# Altium PCB RFID_PCB.PcbDoc
Units mil, origin at the board's own origin, x right, y up, seen from the top; angles counter-clockwise.
Board outline 6000 x 4000 mil, 2 copper layers (Top Layer, Bottom Layer); 9 components, 15 nets, 65 pads, 13 vias.
Unrouted connection lines stored in the file: 9.
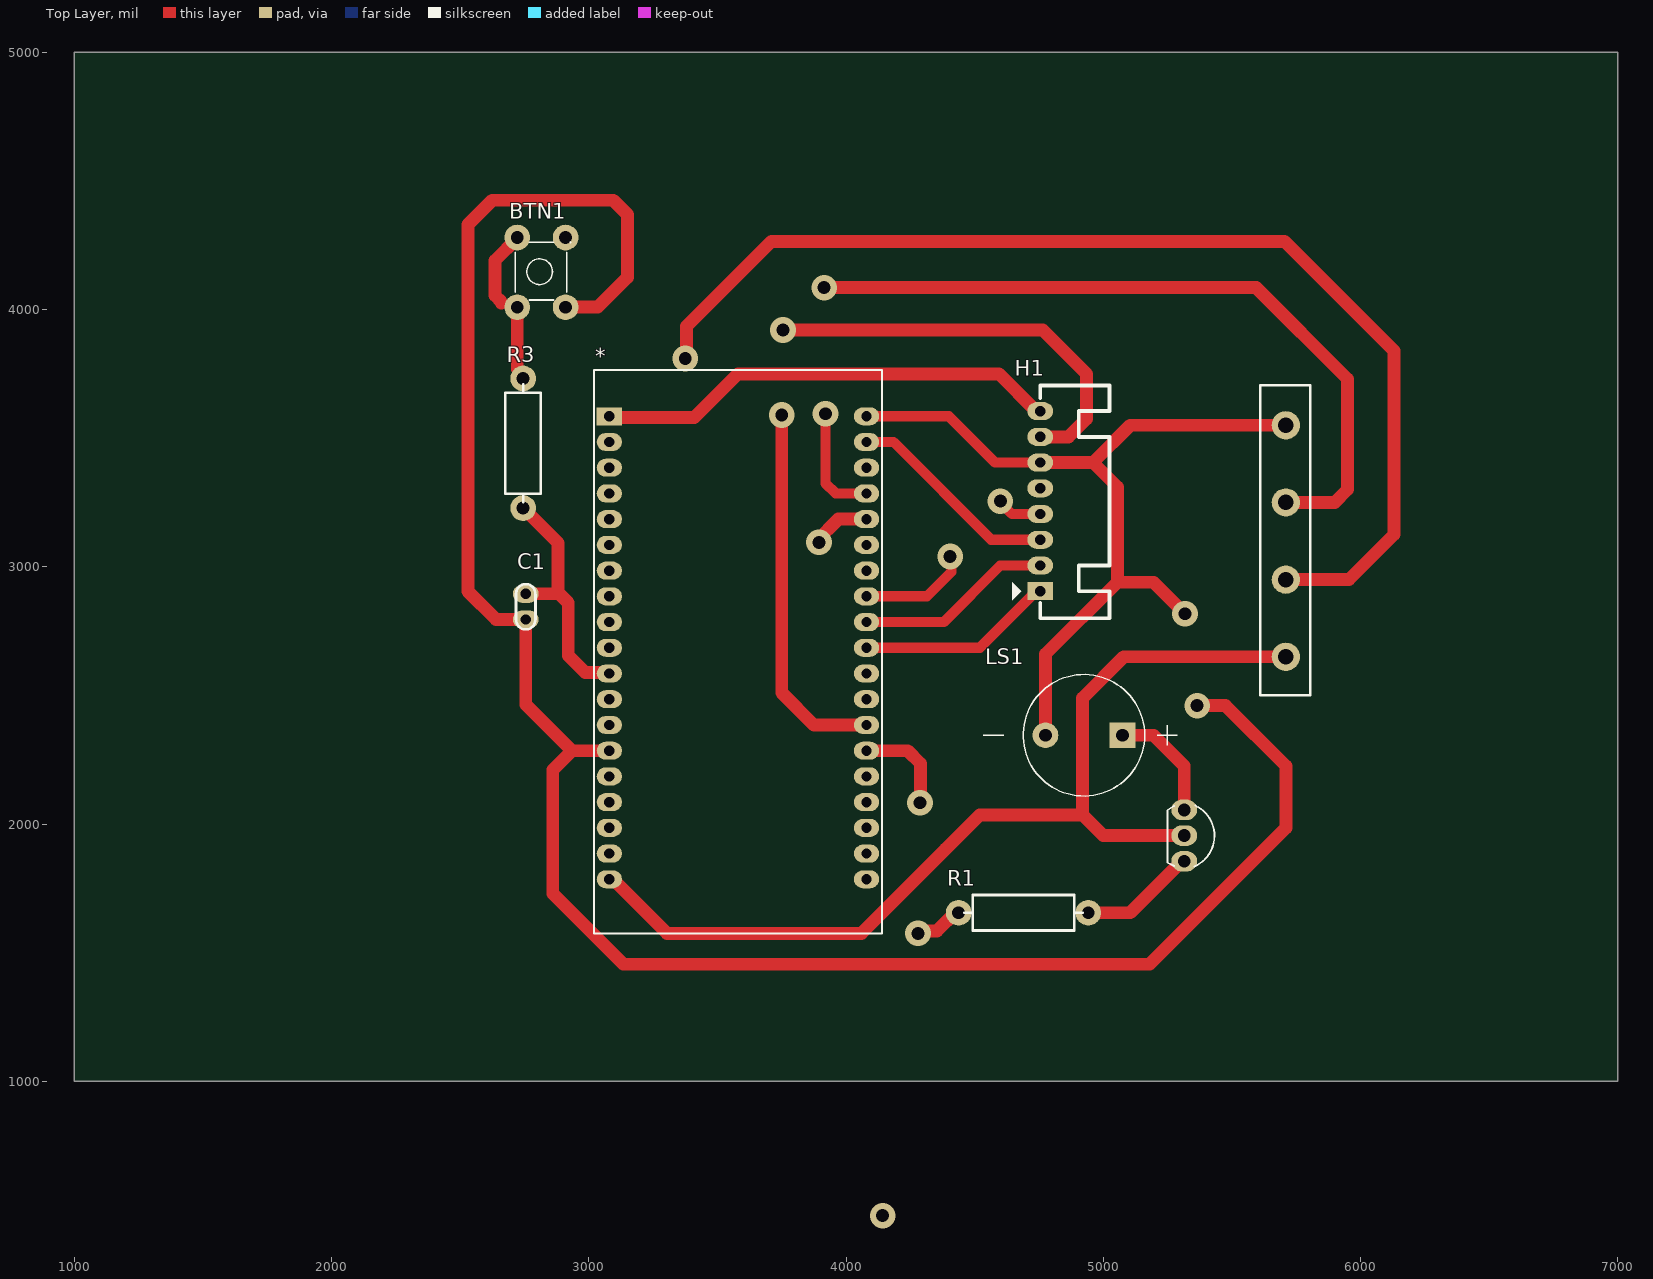
[diagram p0: Top Layer view]
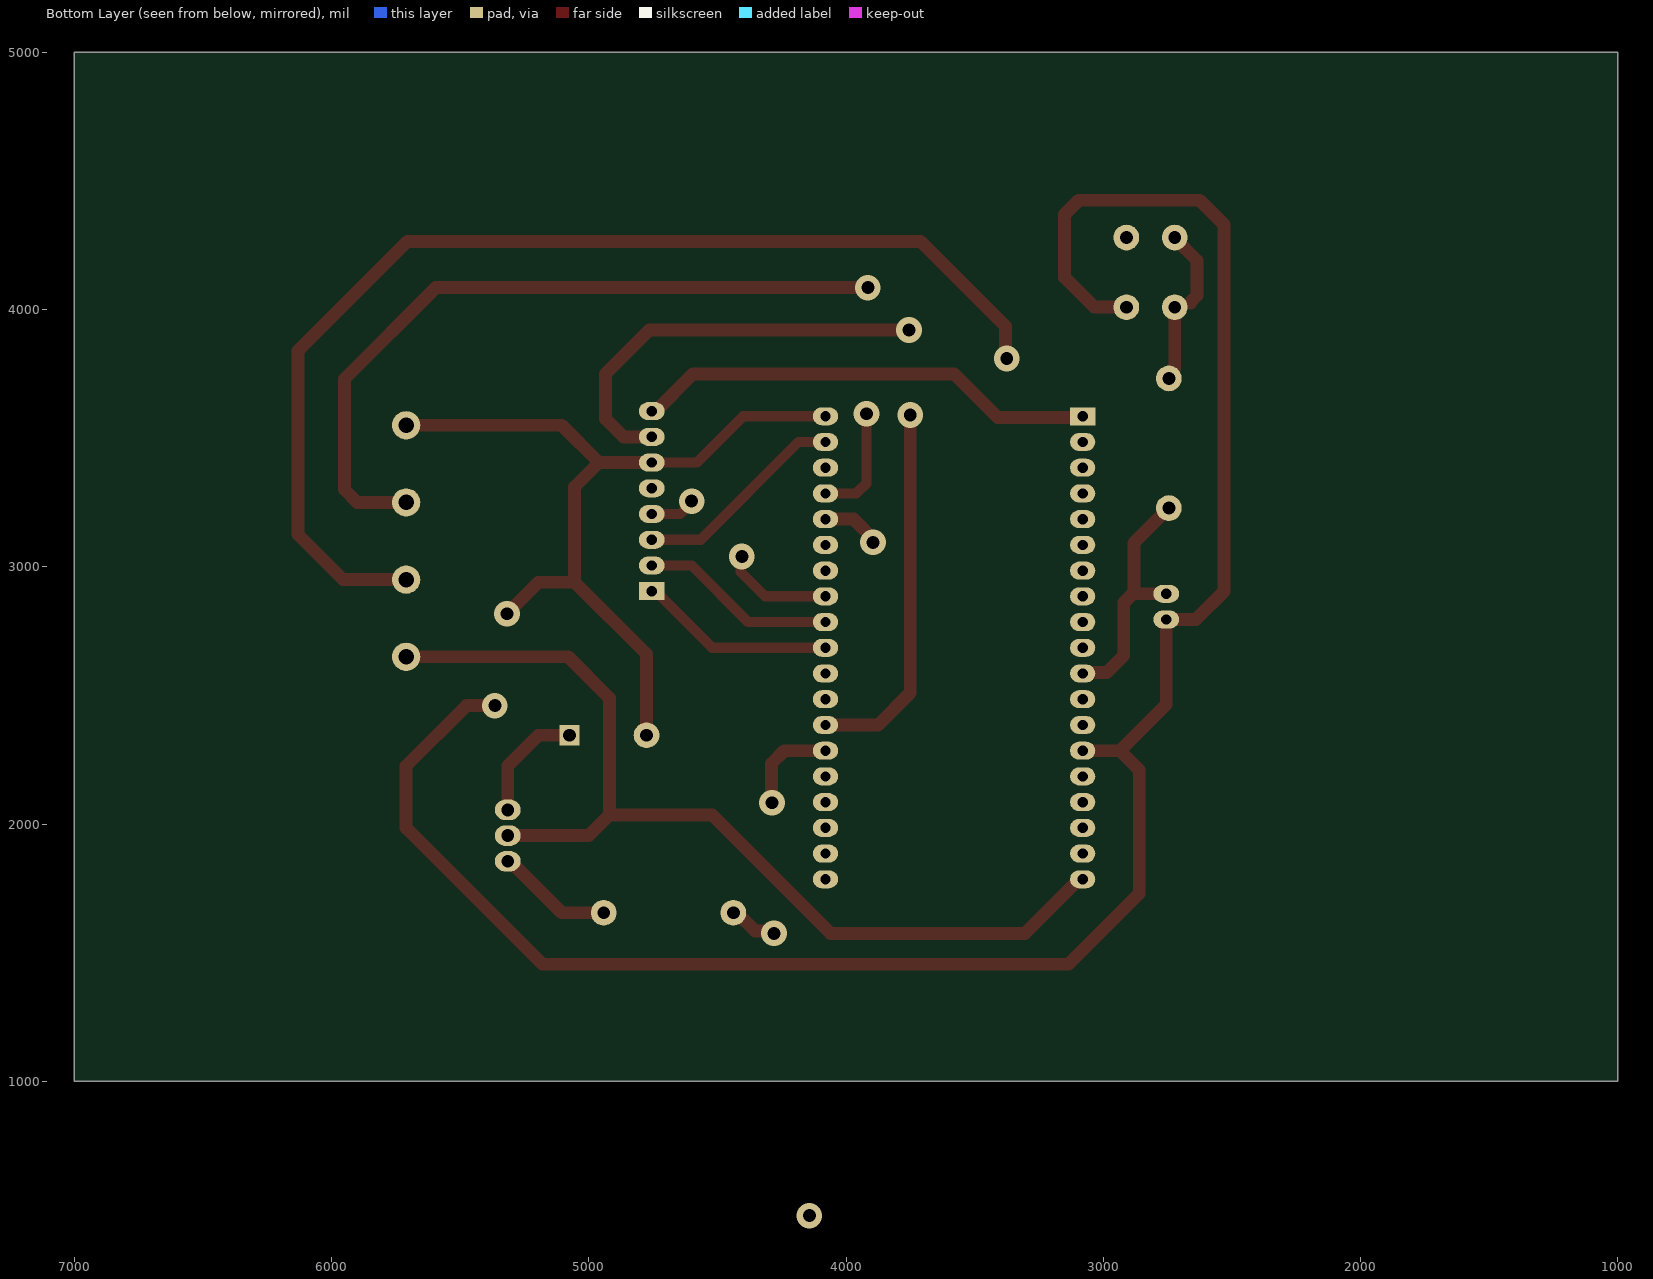
[diagram p1: Bottom Layer view, seen from below]
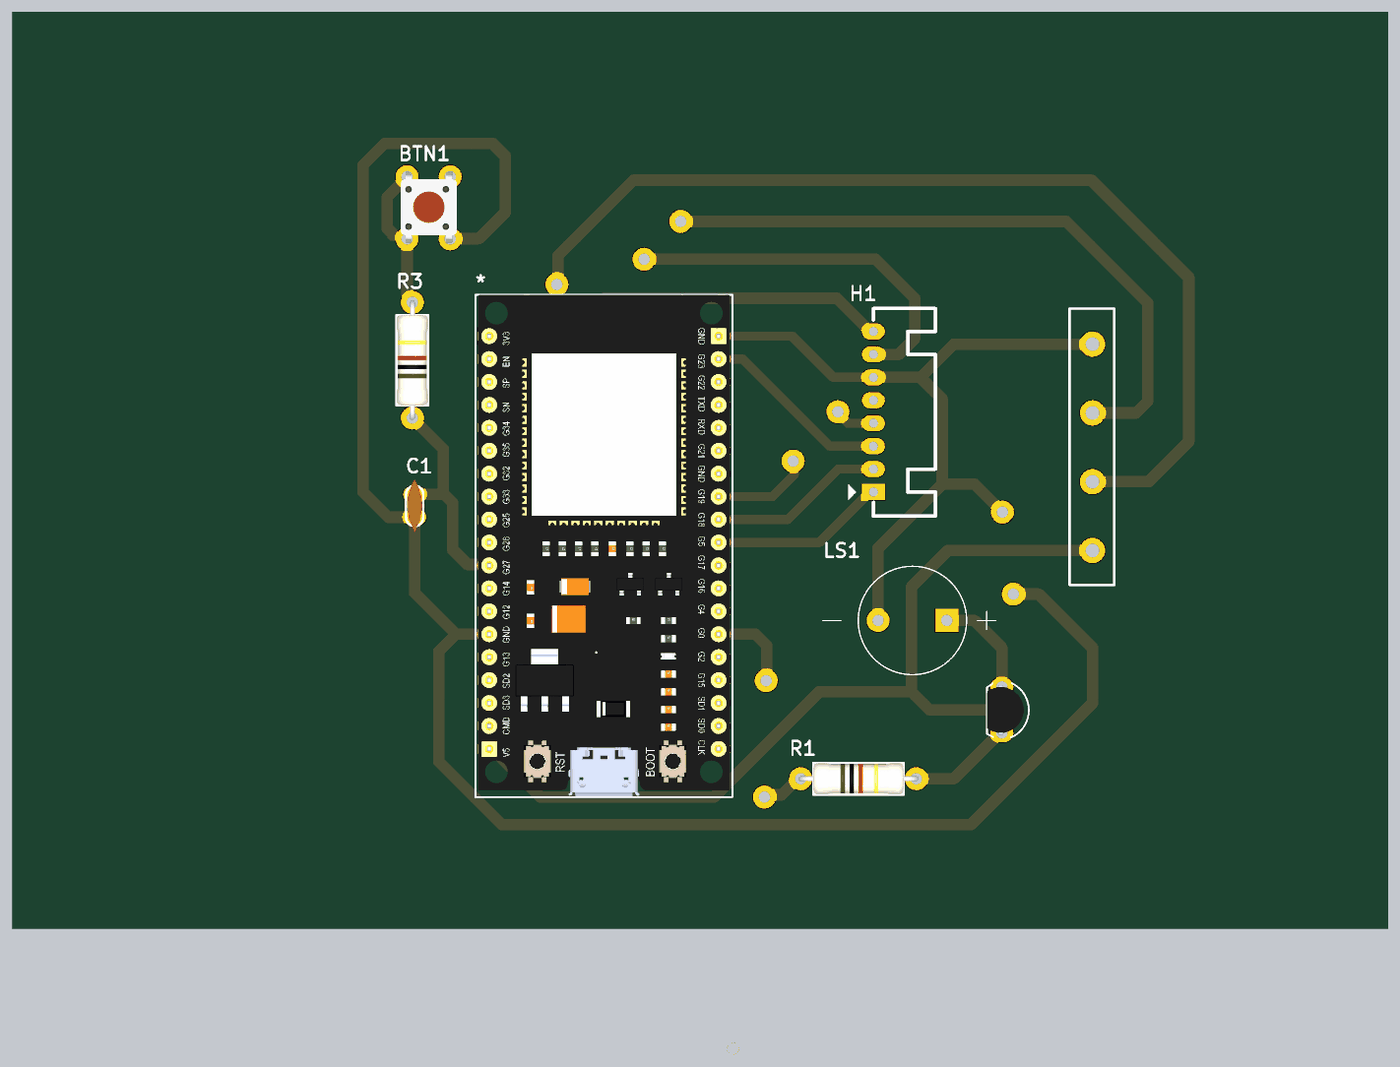
[diagram p2: 3D render of the assembled board from above, using the file's embedded part models]

## Layer stack, top to bottom
Top Solder: solder mask 0.4, Solder Resist, Dk 3.5
Top Layer: signal copper 1.4
Dielectric 1: dielectric 12.6, FR-4, Dk 4.8
Bottom Layer: signal copper 1.4
Bottom Solder: solder mask 0.4, Solder Resist, Dk 3.5

## Board outline
1000,1000 7000,1000 7000,5000 1000,5000

## Design rules (kind name [scope] priority, off if disabled: settings)
Clearance [All] p1: gap=10 ignorepadtopadclearanceinfootprint=FALSE except(0: Arc-Hole Track-Hole SMDPad-Hole THPad-Hole Via-Hole Fill-Hole Poly-Hole Region-Hole Text-Hole; 100: Arc-Fill Arc-Poly Arc-Region Track-Fill Track-Poly Track-Region THPad-Fill THPad-Poly THPad-Region Via-Fill Via-Poly Via-Region)
PolygonConnect [All] p1: connectstyle=Relief reliefconductorwidth=10 reliefentries=4 polygonreliefangle="90 Angle" airgapwidth=10
RoomDefinition RFID_SCH [InComponentClass('RFID_SCH')] p1: confinementstyle=ConfineIn formatcopy=TRUE lockcomponents=FALSE outline 7045,1055 7705,1055 7705,1745 7045,1745
RoutingVias [All] p1: holewidth=28 width=50 viastyle="Through Hole" minholewidth=28 minwidth=50 maxholewidth=28 maxwidth=50
SolderMaskExpansion [All] p1: expansion=4 istentingtop=FALSE
Width [All] p1: maxlimit=100 minlimit=10 preferedwidth=50
30 further rules are at their usual default settings.

## Classes and differential pairs
component class RFID_SCH: * BTN1 C1 H1 LS1 R1 R3

## Components (designator, comment, footprint, x,y, rotation, side; value= is the part's Value field where it differs from the comment)
* "ESP32 DEV KIT" "ESP32 DEVKIT" 3080,3585 r0 top
BTN1 "" "Nut Nhan 4 Chan Cam 6x6" 2714,4022 r90 top
C1 "104" "tu gom" 2755,2845 r90 top
H1 "RFID Reader" "Header 8P DC 2.54" 4755,2905 r0 top
LS1 "Buzz 5V" CUI_CMI-1295-0585T 4925,2345 r180 top
R1 "1k" "tro vach 1/2w" 4690,1655 r0 top
R3 "1k" "tro vach 1/2w" 2745,3480 r90 top
? "USB UART PL2303" Header-4P-7.62mm 5715,2775 r90 top
? "C1815" TO92 5315,1955 r270 top value=C9014

## Footprints (in the part's own frame and the unit in brackets; to place one, negate y for a bottom-side part, rotate by r counter-clockwise, add the part's x,y. Pads: shape width x height; smd on the part's side, far side on the other; paste and mask are expansions set on the pad)
CUI_CMI-1295-0585T [mm]
  round 2.54 hole 1.27: N(3.8,0)
  rect 2.54x2.54 / inner round 2 / far side rect 2x2 hole 1.27: P(-3.8,0)
  silkscreen extent -9.22,-6 9.92,6
"ESP32 DEVKIT" [mil]
  rect 98.43x70 hole 40: 1(0,0)
  oval 98.43x70 hole 40: 2(0,-100) 3(0,-200) 4(0,-300) 5(0,-400) 6(0,-500) 7(0,-600) 8(0,-700) 9(0,-800) 10(0,-900) 11(0,-1000) 12(0,-1100) 13(0,-1200) 14(0,-1300) 15(0,-1400) 16(0,-1500) 17(0,-1600) 18(0,-1700) 19(0,-1800) 20(1000,-1800) 21(1000,-1700) 22(1000,-1600) 23(1000,-1500) 24(1000,-1400) 25(1000,-1300) 26(1000,-1200) 27(1000,-1100) 28(1000,-1000) 29(1000,-900) 30(1000,-800) 31(1000,-700) 32(1000,-600) 33(1000,-500) 34(1000,-400) 35(1000,-300) 36(1000,-200) 37(1000,-100) 38(1000,0)
  silkscreen extent -60,-2010 1060,180, body extent -50,-2007 1050,181, height 381
"Header 8P DC 2.54" [mil]
  rect 100x70 hole 40: 1(0,0)
  oval 100x70 hole 40: 2(0,100) 3(0,200) 4(0,300) 5(0,400) 6(0,500) 7(0,600) 8(0,700)
  silkscreen extent -110,-105 270,800
Header-4P-7.62mm [mil]
  round 110 hole 60: 1(-125,5) 2(175,5) 3(475,5) 4(775,5)
  silkscreen extent -275,-90 930,105
"Nut Nhan 4 Chan Cam 6x6" [mil] "SW button 4pin, 250 x250 mil"
  round 100 hole 50: 1(-13,-8) 1(258,-8) 2(-13,-196) 2(258,-196)
  silkscreen extent 15,-215 240,0, body extent -31,-225 281,19, height 276
TO92 [mil] "TO-92"
  oval 80x100 hole 50: 1(-100,0) 2(0,0) 3(100,0)
  silkscreen extent -117,-65 120,118, body extent -109,-66 109,95, height 245
"tro vach 1/2w" [mm]
  round 2.54 hole 1.27: 1(-6.4,0) 2(6.4,0)
  silkscreen extent -5.84,-1.75 5.84,1.75, body extent -6.62,-1.75 6.62,1.75, height 3.5
"tu gom" [mil] "Tu gom mini"
  oval 70x100 hole 40: 1(-50,0) 2(50,0)
  silkscreen extent -88,-38 87,38, body extent -115,-33 115,33, height 241

## Part data
BTN1: library part "Nut Nhan 4 Chan Cam 6x6", "Nut Nhan 4 Chan 6x6mm", Ma_Hang=MH004584, Ten="Nút Nhấn 4 Chân 6x6x5MM DIP"
C1: library part "Tu gom 104 50V", "Cắm", Chung_Loai=Cắm, Don_Vi=Con, Ma_Hang=MH004761, So_Chan=2, Ten_Linh_Kien="Tụ gốm 104 100nF 50V"
H1: library part "Header 8P 2.54 Duc Cong", "Cắm", Chung_Loai=Cắm, Don_Vi=Con, Ma_Hang=MH003367, Ten_Linh_Kien="Header 8P XH2.54-8P Đực Cong"
LS1: "12 mm, 5 Vdc, 85 dB, Through Hole, Driving Circuit, Magnetic Audio Indicator Buzzer", Package="CUI Inc.", Availability="In Stock", Check_prices=https://www.snapeda.com/parts/CMI-1295-0585T/CUI+Devices/view-part/?ref=eda, CUI_purchase_URL=https://www.cuidevices.com/product/audio/buzzers/audio-indicators/cmi-1295-0585t?utm_source=snapeda.com&utm_medium=referral&utm_campaign=snapedaBOM, MF="CUI Devices", MP=CMI-1295-0585T, Price=None, Purchase-URL=https://pricing.snapeda.com/search/part/CMI-1295-0585T/?ref=eda, SnapEDA_Link=https://www.snapeda.com/parts/CMI-1295-0585T/CUI+Devices/view-part/?ref=snap
R1 R3: library part "Tro Vach 1/2W 5% 1k", "Cắm", Chung_Loai=Cắm, Don_Vi=Con, Ma_Hang=MH007240, So_Chan=2, Ten_Linh_Kien="Trở 5% 1/2w 1K"
?: library part Header-4P-7.62mm
?: library part "Trans C1815 DIP", "NPN transistor"

## Via types
v1: diameter 100, hole 50, Top Layer to Bottom Layer, 13 vias

## Nets (pads, with @x,y where several pads share a name; then routed paths per layer and width w, separated by ;. In a path a pad name is that pad's centre, name@x,y a point inside that pad or via, vN(x,y) a via of type N, cw(c..) or ccw(c..) an arc to the next point about the centre after c; other vN are vias at no path point)
3V3: *.1 H1.8 | length 1807.5
  Top Layer w50: *.1 3085,3580 3410,3580 3580,3750 4595,3750 4740,3605 H1.8
5V: *.19 ?.1@5710,2650 ?.2@5315,1955 | length 3026.2
  Top Layer w50: *.19 3094.21,1785 3304.21,1575 4060,1575 4387.35,1902.35 ; 4920,2165 4920,2490 5080,2650 ?.1@5710,2650 ; 5000,1955 ?.2@5315,1955
BTN: *.11 C1.2 R3.1 | length 964.5
  Top Layer w50: R3.1 2880,3093.03 2880,2900 2885,2895 ; C1.2 2885,2895 ; *.11 3076.17,2588.83 2986.17,2588.83 2920,2655 2920,2860 2885,2895
BUZZ: *.25 R1.1 | length 579
  Top Layer w50: *.25 4240,2285 4290,2235 4290,2085 v1@4285,2080 ; v1(4280,1575) 4289.57,1584.57 4354.07,1584.57 4424.5,1655 R1.1
  other v1: 4287.5,2082.5
GND: *.14 *.38 ?.4 BTN1.2 C1.1 H1.6 LS1.N | length 11385.2
  Top Layer w40: *.38 4400,3585 4580,3405 H1.6
  Top Layer w50: BTN1.2@2910,4009 2911,4010 3035,4010 3150,4125 3150,4370 3095,4425 2625,4425 2530,4330 2530,2905 2640,2795 C1.1 2755,2465 2935,2285 ; *.14 2935,2285 ; H1.6 4960,3405 ; LS1.N 4775.39,2660.39 5055,2940 ; v1(5317.5,2817.5) 5195,2940 5055,2940 ; v1(5365,2460) 5475,2460 5710,2225 5710,1985 5180,1455 3135,1455 2860,1730 2860,2210 2935,2285 ; ?.4 5105,3550 4960,3405 ; 4960,3405 5055,3310 5055,2940
MISO: *.31 H1.4 | length 571.8
  Top Layer w40: *.31 4315,2885 4410,2980 v1@4410,3030 ; v1@4615,3235 4645,3205 H1.4
  other v1: 4405,3040 4600,3255
MOSI: *.37 H1.3 | length 832.4
  Top Layer w40: *.37 4185,3485 4565,3105 H1.3
Net_1: ?.1@5315,2055 LS1.P | length 460.1
  Top Layer w50: LS1.P 5195,2345 5315,2225 ?.1@5315,2055
Net_3: ?.3@5315,1855 R1.2 | length 455.9
  Top Layer w50: R1.2 5105,1655 5305,1855 ?.3@5315,1855
NetBTN1_1: BTN1.1 R3.2 | length 588
  Top Layer w50: 2660,4025 2660,4030 2635,4055 2635,4190.22 2722,4277.22 BTN1.1@2722,4280 ; BTN1.1@2722,4009 2722,3768.5 2745,3745.5 R3.2
RST: *.26 H1.7 | length 3096.2
  Top Layer w50: v1(3750,3590) 3750,2510 3875,2385 *.26 ; v1(3755,3920) 4765,3920 4935,3750 4935,3575 4865,3505 H1.7
RX: *.35 ?.3@5710,3250 | length 3319.3
  Top Layer w40: v1(3920,3595) 3920,3325 3960,3285 *.35
  Top Layer w50: v1(3915,4085) 5595,4085 5950,3730 5950,3300 5900,3250 ?.3@5710,3250
SCK: *.30 H1.2 | length 766.1
  Top Layer w40: *.30 4380,2785 4600,3005 H1.2
SDA: *.29 H1.1 | length 772
  Top Layer w40: *.29 4520,2685 H1.1@4730,2895
  Top Layer w50: H1.1@4730,2895 4755,2895 H1.1
TX: *.34 ?.2@5710,2950 | length 4605.4
  Top Layer w50: v1@3380,3830 3380,3935 3710,4265 5705,4265 6130,3840 6130,3125 5955,2950 ?.2@5710,2950 ; v1@3885,3100 3970,3185 *.34
  other v1: 3895,3095 3375,3810
pads on no net: *.2 *.3 *.4 *.5 *.6 *.7 *.8 *.9 *.10 *.12 *.13 *.15 *.16 *.17 *.18 *.20 *.21 *.22 *.23 *.24 *.27 *.28 *.32 *.33 *.36 H1.5
copper on no net: | length 847.7
  Top Layer w50: 2720,4011 2722,4009 ; 2745,2905 2755,2895 ; 4387.35,1902.35 4520,2035 4920,2035 ; 4920,2165 4920,2035 ; 5000,1955 4920,2035
  other v1: 4142.5,477.5

## Silkscreen, mask and mechanical layers (free items; w line width, h text height)
Mechanical 1:
  lines w50: 2455,1245 2455,4555 6425,4555 6425,1245 2455,1245